# KiCad board Turbo_XT_Mainboard R3.kicad_pcb (continued)
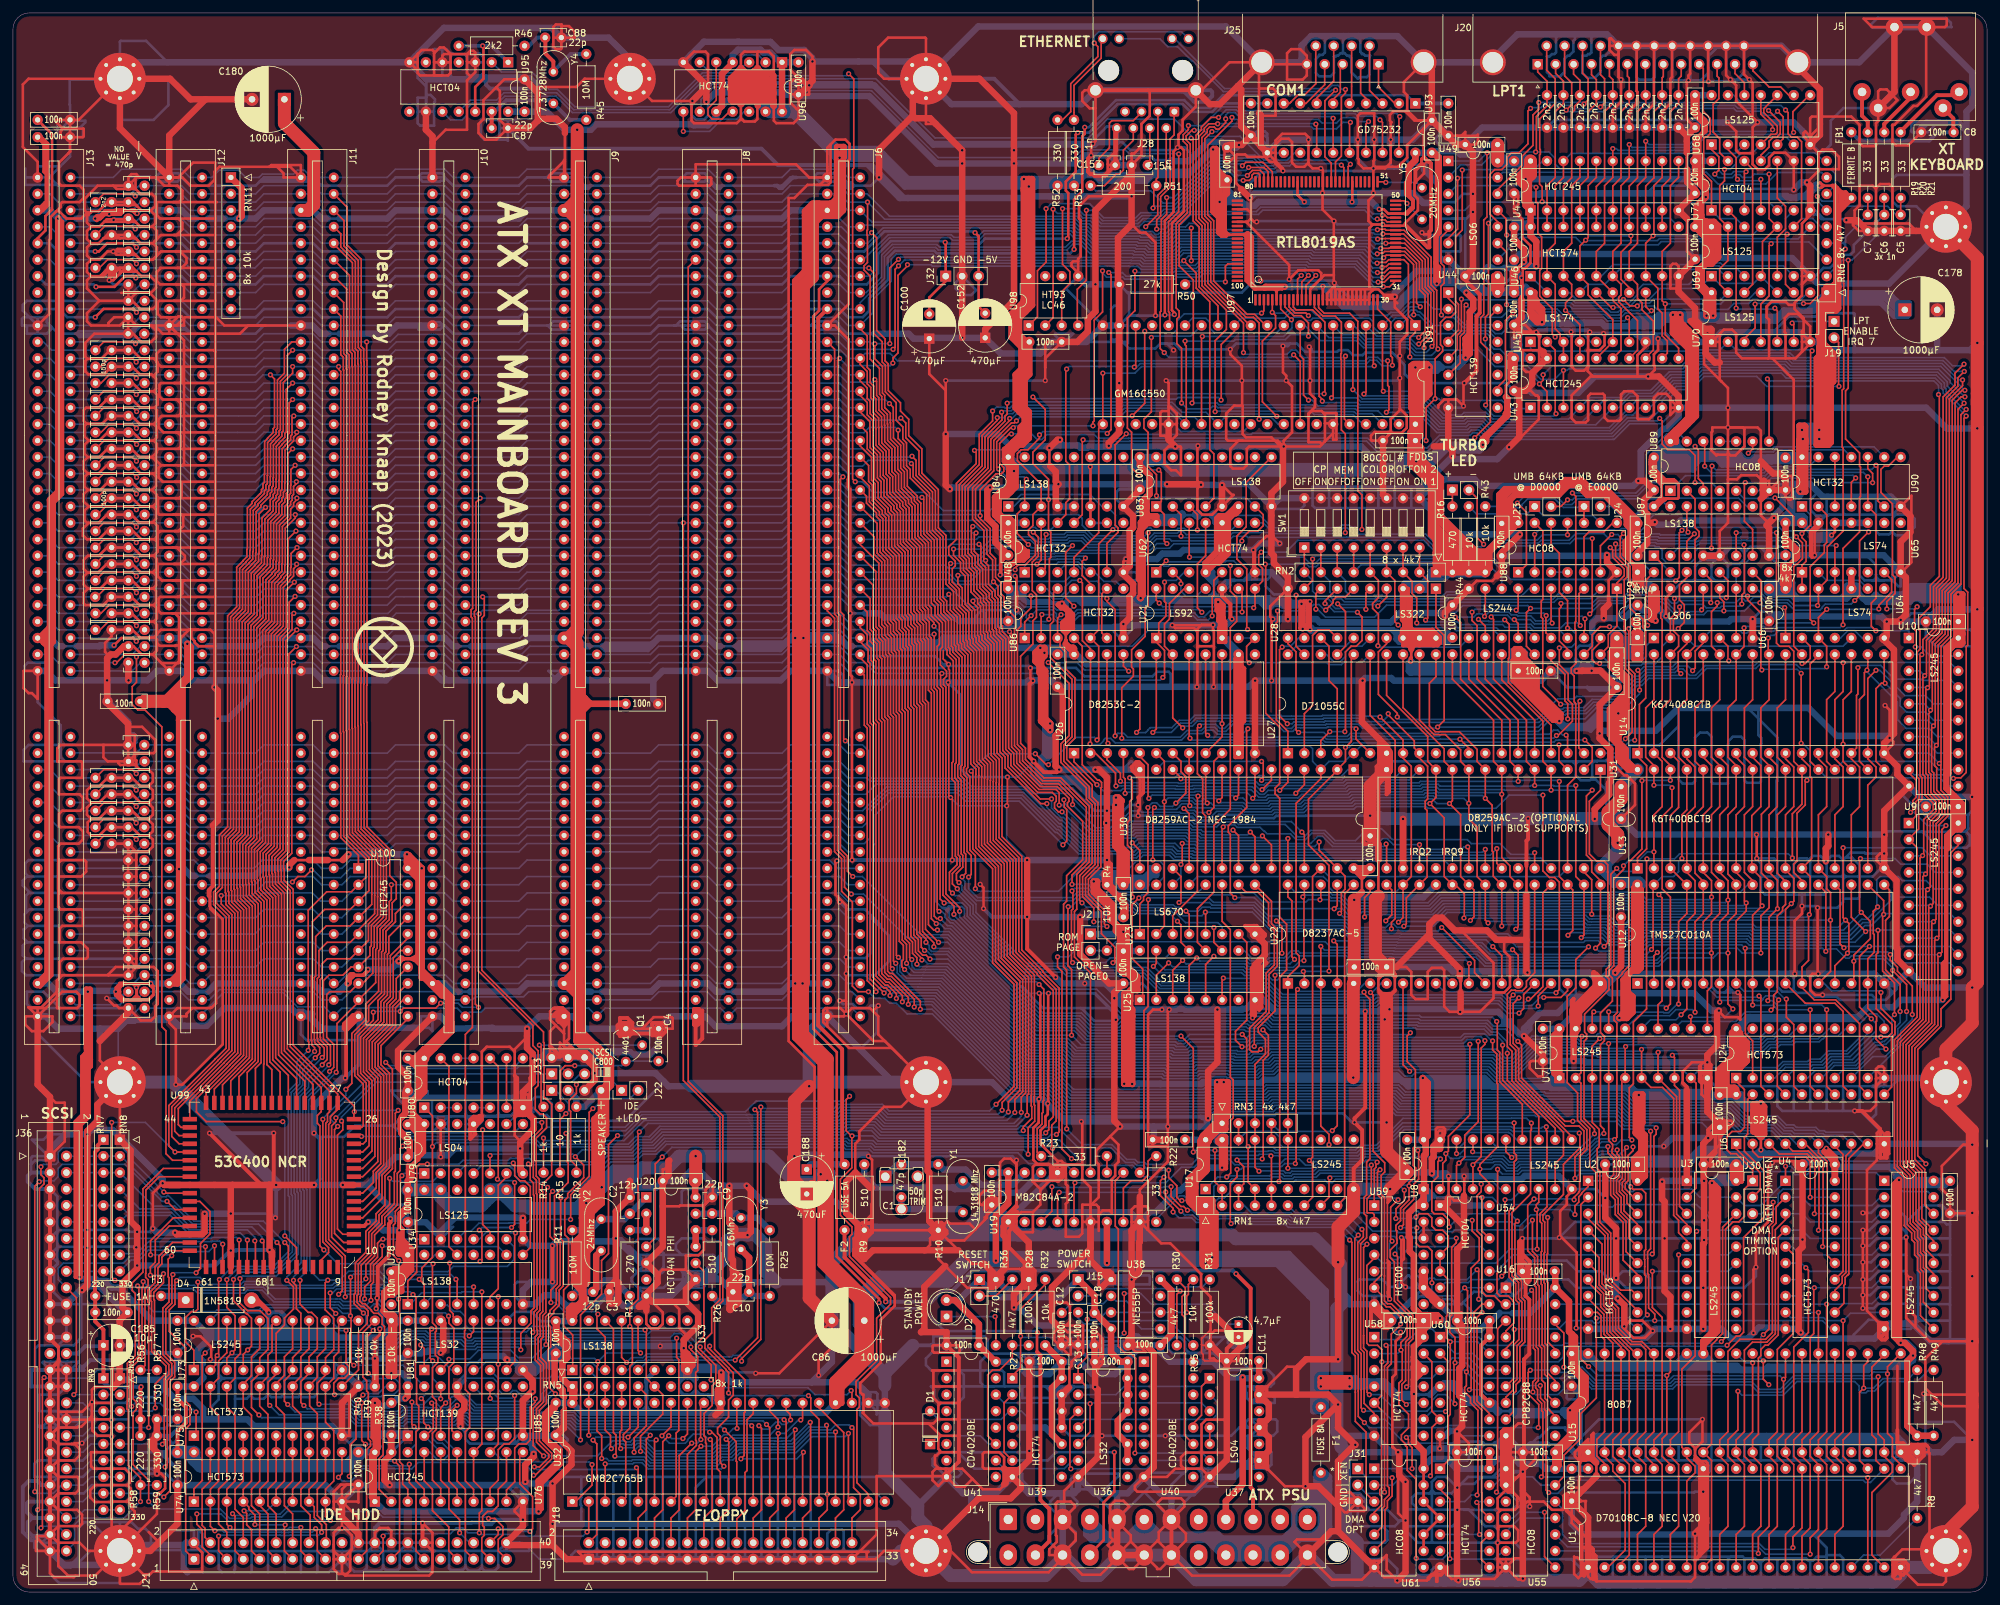
[diagram p0: board, top side]
## Routing (per net, layer and track width the routed paths; a pad name or vN(x,y) marks a point on that pad's centre or on a via; arc(x,y) is an arc through that point) (continued)
  Bottom w0.6: 107.91,233.03 107.68,233.03 v1(104.9,230.25) 107.31,232.66 107.31,233.05 108.55,233.05 108.57,233.03 ; 107.91,233.03 108.57,233.03 ; 107.91,233.03 107.47,232.58 107.19,232.58 ; 183.39,73.4 183.64,73.15 185.17,73.15 ; 183.39,73.4 185.39,73.4 ; 183.39,73.4 161.79,73.4 161.75,73.36 ; v1(247.4,95.63) 247.4,94.74 244.98,92.33 244.54,92.77 244.54,94.55 ; v1(247.4,95.63) 246,95.63 245.3,94.93 244.16,94.93 ; v1(247.4,95.63) 247.4,95.5 245.87,93.98 U22.20 ; 185.17,73.15 185.29,73.28 ; 185.17,73.15 v1(184.53,73.15) ; 185.29,73.28 185.29,71.75 ; 185.29,73.28 185.23,73.34 ; C42.2 20.75,36.91 19.56,38.1 C185.2 16.47,36.03 16.26,35.81 11.94,35.81 10.92,34.8 10.41,34.8 10.92,34.29 J36.27 2.79,34.29 2.79,31.75 J36.29 8.25,31.75 ; 185.39,71.19 185.39,71.66 185.29,71.75 ; 185.39,71.19 185.71,70.87 186.18,70.87 ; 185.39,71.19 185.59,70.99 186.69,70.99 187.45,70.23 187.45,69.47 ; R59.1 24.38,24.13 25.48,25.23 25.48,26.67 ; 109.47,217.17 109.09,216.79 108.58,216.79 107.31,218.06 107.06,218.06 ; 245.07,142.28 246,141.35 248.92,141.35 247.65,140.08 C50.2 247.14,139.19 247.01,139.32 243.46,139.32 243.08,139.7 ; 78.23,234.06 78.69,233.6 C37.2 ; 78.23,234.06 78.87,234.06 78.99,233.93 C37.2 ; 78.23,234.06 73.02,234.06 73.02,232.79 73.66,232.16 81.53,232.16 81.53,232.28 79.88,233.93 ; v1(39.62,52.83) 34.54,52.83 34.44,52.73 v1(33.63,52.73) 33.56,52.73 31.24,50.42 v1(19.18,50.42) ; 121.94,233.03 132.61,233.03 132.97,232.66 ; 121.94,233.03 122.03,233.03 122.39,232.66 v1(122.94,232.66) 122.57,233.03 121.94,233.03 ; 121.94,233.03 108.57,233.03 ; 79.88,233.93 79.33,233.93 C37.2 ; 79.88,233.93 79.55,233.6 C37.2 ; C78.2 138.94,38.1 ; U62.7 191.34,157.48 190.1,156.23 ; 86.99,218.06 88.26,216.79 88.77,216.79 89.15,217.17 ; 3.56,11.43 2.92,11.43 2.29,10.8 2.29,9.4 3.05,8.64 5.46,8.64 J36.47 ; 3.56,11.43 3.05,11.43 2.16,12.32 2.16,13.72 2.41,13.97 J36.43 ; 3.56,11.43 J36.45 ; v1(46.48,70.87) 47.37,69.98 47.37,63.75 v1(46.48,62.87) ; 241.3,143.13 242.89,143.13 ; 241.3,143.13 241.3,144.02 241.84,143.48 243.62,143.48 243.84,143.26 243.02,143.26 242.89,143.13 ; 241.3,143.13 241.3,142.37 v1(241.43,142.24) ; 242.89,143.13 v1(243.75,142.28) ; v1(30.35,70.87) v1(40.26,70.87) ; U100.10 53.34,81.41 v1(51.31,79.38) ; 188.55,156.23 187.98,156.23 U21.10 ; 185.7,70.52 185.7,69.63 185.67,69.6 186.18,69.09 187.2,69.09 187.45,69.34 187.45,69.47 ; 187.45,69.47 187.32,69.47 ; v1(156.59,113.03) v1(145.03,113.03) v1(129.57,113.03) ; v1(243.75,142.28) 241.46,142.28 v1(241.43,142.24) ; v1(243.75,142.28) 243.84,142.37 243.84,143.89 ; 126.62,220.34 132.71,220.34 137.79,215.26 138.18,215.26 ; 126.62,220.34 118.11,220.34 115.57,222.88 79.59,222.88 C87.1 ; 126.62,220.34 131.83,220.34 v1(133.73,218.44) ; J36.33 8.25,26.67 ; 62.99,36.83 63.25,37.08 65.91,37.08 v1(66.04,36.96) ; 278.76,66.55 279.26,66.55 280.51,67.79 282.39,67.79 282.46,67.71 ; 185.29,71.75 185.29,71.29 185.49,71.09 185.96,71.09 186.18,70.87 ; U17.19 186.69,70.36 186.18,70.87 ; v1(154.94,151.64) 154.94,151.21 C36.2 ; 287.15,78.1 287.65,78.1 U24.10 ; C46.2 121.2,231.22 120.65,231.78 108.71,231.78 108.5,231.57 ; 180.59,231.9 182.37,230.12 184.28,230.12 185.17,231.01 185.17,231.65 184.9,231.91 182.63,231.91 ; v1(80.24,82.4) 81.38,82.4 82.3,83.31 90.04,83.31 90.55,83.82 90.93,83.82 ; 117.6,217.17 117.98,217.17 118.36,216.79 118.75,216.79 120.4,218.44 120.9,218.44 ; 85.25,44.42 85.22,44.45 ; J36.3 2.79,64.77 2.29,64.26 2.29,63.37 3.43,62.23 J36.5 ; v1(241.43,142.24) 242.03,142.84 243.75,142.84 ; v1(40.51,57.79) 40.64,57.91 v1(40.64,62.87) ; v1(156.59,104.27) 151.13,104.27 v1(149.86,105.54) ; 234.25,87.95 234.31,87.88 234.31,86.87 v1(233.3,85.85) ; J36.21 8.25,41.91 ; 163.78,31.72 163.16,31.72 U39.13 ; U55.1 230.89,19.05 231.35,18.59 v1(233.12,18.59) ; v1(232.91,202.95) 232.66,203.2 ; 126.75,219.07 127.25,219.07 128.78,217.55 129.41,217.55 129.79,217.17 ; v1(167.08,31.67) 167,31.75 165.7,31.75 165.67,31.72 165.32,31.72 ; 127.89,217.81 128.02,217.81 129.03,216.79 129.41,216.79 129.41,216.92 129.67,217.17 ; 23.37,20.95 25.78,18.54 ; 23.37,20.95 22.73,21.59 22.22,21.59 23.37,21.59 23.37,20.95 ; v1(233.93,119.44) 233.93,119.44 233.67,119.44 ; J36.19 8.25,44.45 ; 69.85,24.64 69.85,24.82 v1(69.09,25.57) ; J21.24 55.88,9.91 56.64,10.67 v1(63.25,10.67) 70.74,10.67 70.82,10.74 72.72,10.74 72.99,10.47 73.86,10.47 74.56,11.18 v1(78.74,11.18) ; J36.23 8.25,39.37 ; 228.16,204.6 228.6,204.6 ; v1(83.3,47.89) 83.3,45.86 83.31,45.85 ; 230.24,88.51 230.24,87.64 ; v1(235.19,194.54) 235.56,194.91 240.26,194.91 v1(240.57,194.6) 240.81,194.84 243.19,194.84 v1(243.46,194.56) 243.68,194.34 v1(245.59,194.34) 250.79,194.34 250.95,194.18 ; v1(129.54,140.46) 129.52,140.49 129.37,140.49 ; 170.44,223.9 J28.8 ; 155.44,229.75 151.51,233.68 H5.1 135.25,233.68 132.59,236.35 130.56,236.35 ; J36.41 4.44,16.51 3.81,17.14 2.41,17.14 1.52,16.26 1.52,9.27 2.79,8 4.06,8 J36.49 ; 87.63,44.45 87.6,44.42 ; 229.87,204.47 230.25,204.47 ; 251.59,39.24 249.68,39.24 ; 231.32,87.43 231.32,88.34 230.61,87.63 231.12,87.63 231.32,87.43
  Bottom w1: C37.2 63.83,233.6 U95.7 ; U22.20 243.43,95.66 v1(233.84,95.66) 233.66,95.84 223.31,95.84 v1(223.39,95.88) 222.34,95.84 221.66,96.52 C53.2 ; U22.20 246.61,92.48 259.56,92.48 262.25,89.79 v1(263.4,89.79) ; U22.20 242.7,91.57 240.66,91.57 238.51,89.41 235.71,89.41 233.3,87 v1(233.3,85.85) 233.02,86.13 232.61,86.13 230.24,88.51 230.24,88.66 229.3,89.6 223.46,89.6 v1(223.45,89.59) 223,90.04 212.6,90.04 v1(212.53,89.98) 212.44,90.07 211.25,90.07 210.84,89.66 v1(208.79,89.66) 194.94,89.66 193.17,91.44 U25.8 190.39,90.06 189.85,90.06 189.73,89.94 188.51,89.94 188.47,89.98 187.79,89.98 187.75,89.94 v1(185.97,89.94) 180.98,89.94 180.87,90.05 179.68,90.05 179.58,89.94 v1(178.54,89.94) v1(177.4,89.94) 171.81,89.94 v1(170.05,91.69) 170.18,91.57 170.94,91.57 ; U22.20 246.76,95.63 v1(247.4,95.63) 247.55,95.48 v1(275.11,95.48) v1(278.74,95.48) 287.42,95.48 U12.16 289.05,93.85 290.7,93.85 U9.10 295.27,93.34 v1(302.51,93.34) ; C75.2 235.85,215.98 235.68,215.81 231.94,215.81 C57.2 ; 147.95,15.24 146.69,15.24 U41.8 139.7,13.33 ; 147.95,15.24 151.76,15.24 U39.7 156.84,15.24 161.93,15.24 ; 147.95,15.24 147.95,13.33 H8.1 136.78,10.54 v1(83.31,10.54) ; C186.2 17.38,43.18 13.34,47.22 11.03,47.22 8.25,44.45 10.41,46.61 v1(10.67,46.61) ; 216.72,45.65 216.66,45.59 216.49,45.59 C68.2 212.72,41.91 U59.7 206.38,44.45 205.74,45.08 ; 13.46,87 13.46,85.14 13.41,85.09 ; 13.46,87 16.26,87 17.48,88.22 18.7,88.22 18.83,88.35 23.58,88.35 J12.80 25.59,87.44 29.88,87.44 32.62,90.17 42.94,90.17 43.59,89.53 ; 13.46,87 6.98,87 5.08,88.9 J13.80 ; v1(289.75,131.89) 289.43,132.21 281.56,132.21 277.24,136.53 257.18,136.53 253.64,132.99 245.38,132.99 v1(244.98,132.59) ; 161.93,15.24 163.83,15.24 164.46,15.88 U36.7 167,15.24 170.18,15.24 ; 161.93,15.24 162.07,15.1 J14.3 J14.15 ; v1(156.59,104.27) 156.64,104.22 v1(164.77,104.22) ; 31.18,140.78 36.76,140.78 ; 31.18,140.78 31.18,139.76 v1(31.11,139.7) ; 31.18,140.78 27.5,140.78 26.03,142.24 J12.31 22.22,142.24 20.76,140.78 v1(17.85,140.78) v1(14.54,140.78) ; 36.76,140.78 36.83,140.71 36.83,138.43 33.27,134.87 v1(31.62,134.87) 31.75,134.87 ; 36.76,140.78 37.27,140.78 38.73,142.24 J11.31 46.35,142.24 47.82,140.78 57.59,140.78 59.05,142.24 J10.31 66.23,140.78 83.63,140.78 J9.31 86.99,142.24 88.46,140.78 98.87,140.78 ; 170.18,15.24 172.08,15.24 U40.8 177.16,15.24 178.44,15.24 ; 170.18,15.24 170.47,14.95 J14.5 ; C16.2 171.37,37.3 167.8,37.3 C18.2 C12.2 159.38,35.56 C14.2 156.67,35.81 ; 81.53,34.54 C91.2 84.95,36.83 85.53,37.41 ; 81.53,34.54 78.99,34.54 U81.7 ; 81.53,34.54 81.28,34.54 80.64,33.91 ; v1(303.3,151.75) 297.24,151.75 C56.2 291.72,149.86 v1(291.47,150.11) 291.21,149.86 v1(289.31,149.86) 288.51,150.65 279.52,150.65 279.42,150.75 275.01,150.75 274.9,150.64 271.85,150.64 C47.2 268.91,149.94 v1(268.6,150.24) 265.3,150.24 264.94,149.88 256.03,149.88 v1(255.21,150.69) 254.31,151.6 251.62,151.6 C61.2 248.79,150.37 v1(245.62,150.37) 244.47,150.37 243.84,149.73 243.84,148.21 ; v1(113.41,55.12) 113.28,55.25 113.16,55.25 ; 29.21,26.67 36.19,26.67 37.23,25.63 49.3,25.63 U75.10 51.01,24.34 58.29,24.34 C89.2 58.5,24.13 U85.1 ; 29.21,26.67 29.37,26.83 29.37,28.32 27.84,29.85 25.02,29.85 23.26,31.6 23.26,32.79 ; 29.21,26.67 25.48,26.67 C177.2 22.3,26.75 R57.1 R59.1 ; 23.26,32.79 16.74,32.79 RN10.1 ; 23.26,32.79 25.4,34.93 C42.2 ; v1(231.01,176.78) 229.18,174.95 222.69,174.95 v1(222.25,175.39) 217.17,170.31 SW1.9 ; 85.53,37.41 85.53,37.4 82.93,34.8 82.68,35.05 77.98,35.05 ; 85.53,37.41 86.14,38.02 ; C48.2 271.27,170.18 U89.7 ; C48.2 274.63,171.13 277.44,171.13 279.42,169.14 289.96,169.14 U90.7 ; C48.2 273.25,169.74 273.25,167.52 271.91,166.18 v1(271.91,165.86) 271.51,165.46 257.5,165.46 256.87,164.83 253.89,164.83 v1(253.49,165.23) ; J11.80 45.72,88.9 47.62,87 51.43,87 U100.10 55.12,87.12 62.99,87.12 J10.80 66.04,88.9 67.94,87 74.04,87.12 73.91,87 v1(79.38,87) 81.28,88.9 J9.80 86.36,88.9 88.26,87 C4.2 ; J11.80 44.96,89.41 45.08,89.28 ; J11.80 43.82,89.53 43.59,89.53 ; 104.77,78.1 101.22,78.1 99.21,80.11 v1(89.82,80.11) ; 218.88,45.59 218.88,45.51 219.94,44.45 U54.7 222.88,41.91 C76.2 ; 132.97,194.31 138.3,194.31 139.06,193.55 C100.1 141.6,193.68 v1(146.56,193.68) C152.1 152.53,191.26 158.62,191.26 160.4,193.04 C97.2 165.74,193.04 U91.20 170.81,195.58 ; 301.62,225.66 301.62,214 H7.1 289.69,202.06 281.57,202.06 ; 301.62,225.66 301.62,228.6 302.54,229.51 302.54,234.6 J5.SH J5.SH ; 301.62,225.66 300.36,226.93 295.51,226.93 294.64,226.06 C8.2 ; v1(191.01,215.26) 191.77,216.03 216.22,216.03 217.74,214.5 219.96,214.5 220.11,214.65 ; v1(164.77,104.22) 164.72,104.27 ; v1(164.77,104.22) 165.96,104.22 166.35,104.61 169.47,104.61 169.86,104.22 C54.2 ; 205.74,14.22 207.39,14.22 J31.3 ; J5.SH 290.5,231.67 J5.4 ; J5.SH 285.07,236.22 J20.0 273.05,238.76 J20.25 J20.24 J20.22 J20.20 J20.19 J20.18 ; v1(178.18,171.07) 174.86,171.13 C39.2 173.19,171.06 161.28,171.06 v1(161.42,171.07) 160.91,170.56 v1(150.88,170.56) 144.91,170.56 v1(144.65,170.31) ; v1(178.18,171.07) 178.17,171.08 177.94,171.08 ; v1(178.18,171.07) 177.94,171.08 ; U56.7 220.34,2.54 221.08,1.81 ; 168.78,93.98 C49.2 170.94,93.47 170.94,91.57 ; 168.78,93.98 168.78,93.85 170.94,91.69 170.94,91.57 ; 168.78,93.98 v1(165.48,93.98) 161.92,93.98 v1(160.99,94.91) ; 232.81,203.05 232.66,203.2 232.66,203.33 231.77,204.22 ; U68.7 277.5,224.39 274.93,226.95 v1(269.37,226.95) 269.34,226.92 v1(264.7,226.92) 260.5,226.92 C51.2 C28.2 C27.2 C26.2 C25.2 C24.2 C23.2 C22.2 C21.2 C29.2 226.85,226.14 C62.2 223.63,223.52 223,224.16 222.33,224.16 219.24,227.25 C79.2 216.11,224.28 v1(210.19,224.28) v1(207.64,224.28) 195.71,224.28 193.68,222.25 191.13,224.79 ; 45.08,89.28 44.84,89.53 43.59,89.53 ; 45.08,89.28 46.23,89.28 ; SW1.9 222.76,163.32 v1(232.66,163.32) ; SW1.9 219.37,171.11 220.22,171.11 220.94,171.83 225.68,171.83 226.69,170.81 250.19,170.81 v1(250.95,171.58) 251.33,171.96 251.33,176.15 254.81,179.62 255.32,179.62 257.18,181.48 U43.10 295.4,182.88 298.6,179.69 v1(303.3,179.69) ; C50.2 245.07,142.28 v1(243.75,142.28) 243.71,142.24 v1(241.43,142.24) C65.2 235.91,140.74 213.21,140.74 212.81,141.14 208.78,141.14 v1(208.38,140.74) v1(194.33,140.74) v1(191.79,140.74) 190.83,139.78 v1(185.37,139.78) v1(182.8,139.78) C52.2 160.29,140.78 156.78,140.78 ; v1(248.79,41.02) 248.79,40.13 ; 248.79,40.13 248.28,40.64 U2.10 ; 248.79,40.13 249.68,39.24 ; v1(46.48,70.87) 46.48,75.06 50.8,79.38 v1(51.31,79.38) ; R36.2 153.29,46.74 155.32,46.74 R28.1 ; v1(302.51,69.09) 302.39,69.22 U6.10 287.42,67.71 282.46,67.71 ; 80.64,33.91 80.26,34.29 U81.7 ; 80.64,33.91 78.23,33.91 77.98,34.16 77.98,35.05 ; v1(83.29,53.47) 83.98,54.16 92.64,54.16 v1(93.09,54.61) 96.9,50.8 U20.5 ; v1(83.29,53.47) 79.88,53.47 78.74,54.61 ; v1(83.29,53.47) 83.29,47.9 v1(83.3,47.89) 80.02,47.89 78.74,46.61 U78.8 80.64,44.45 82.04,45.85 83.82,45.85 85.45,44.22 87.4,44.22 87.63,44.45 90.17,44.45 C3.2 94.23,44.2 96.27,44.2 U20.7 101.6,45.72 104.14,48.26 U20.9 109.26,48.26 C10.2 112.67,47.86 126.04,47.86 126.44,47.45 ; 250.63,194.18 253.11,194.18 253.75,193.55 v1(254,193.55) ; U84.4 U84.5 ; 230.41,1.81 230.5,1.91 U55.7 ; 166.22,58.65 172.49,58.65 U19.9 175.49,58.65 176.43,58.65 179.78,62 180.24,62 183.77,65.53 v1(186.69,65.53) ; 166.22,58.65 166.22,57.3 U19.6 166.37,55.25 166.47,55.15 ; 166.22,58.65 155.17,58.65 U19.1 ; 131.57,151.13 133.86,151.13 134.49,150.5 145.54,150.5 146.1,149.94 C36.2 154.8,149.94 155.71,149.03 159.07,149.03 159.18,148.92 169.88,148.92 169.99,149.03 171,149.03 v1(171.45,149.48) 172.02,149.48 172.2,149.29 v1(179,149.29) 185.48,149.29 v1(185.29,149.35) 187.32,149.35 v1(188.21,150.24) v1(194.52,150.24) 201.27,150.24 201.78,149.73 212.72,149.73 214.17,151.18 220.67,151.18 v1(221.11,150.75) ; J20.18 247.88,239.03 ; J20.18 246.11,240.54 232.28,240.54 228.49,236.75 J20.0 J25.SH 213.76,240.26 200.43,240.26 198.97,238.8 198.97,236.72 J25.5 199.46,236.22 J25.SH 187.26,241.76 149.05,241.76 H5.1 ; U19.1 153.67,57.4 161.04,64.77 U19.15 ; U19.1 155.67,55.15 156.31,55.15 ; SW1.16 195.58,168.91 U83.8 190.84,171.11 186.77,171.11 186.76,171.13 ; v1(144.02,178.82) 152.08,178.82 153.69,177.21 156.16,177.21 156.43,176.94 159.74,176.94 v1(160.02,176.66) 160.42,177.06 164.47,177.06 164.83,176.7 165.88,176.7 166.04,176.86 172.77,176.86 172.8,176.89 v1(179.47,176.89) v1(196.2,176.89) 208.17,176.89 210.01,175.05 v1(211.53,175.05) ; 26.92,3.05 26.39,3.58 26.39,7.27 ; 123.32,32.38 130.18,32.38 132.08,30.48 U32.22 U32.21 ; 123.32,32.38 110.87,32.38 v1(109.35,33.91) ; 123.32,32.38 v1(124.4,33.46) 126.44,35.51 C86.2 ; 86.14,38.02 99.91,38.02 v1(99.95,37.97) 103.21,38.02 v1(103.57,37.66) ; 86.14,38.02 86.09,37.97 83.69,37.97 81.15,35.43 ; U95.7 19.05,236.22 H1.1 ; U95.7 66.52,241.53 83.17,241.53 C88.2 91.95,240.03 95.25,236.73 H3.1 97.79,236.22 U96.7 106.68,239.39 112.02,239.39 112.05,239.37 116.97,239.37 118.22,238.12 122.17,238.12 123.38,236.92 123.38,236.41 v1(123.44,236.35) 138.3,236.35 H5.1 ; v1(21.59,56.13) 22.22,55.5 v1(25.02,55.5) ; 170.44,223.9 167,223.9 v1(166.75,223.65) 166.88,223.52 167.01,223.52 142.11,223.52 132.97,232.66 v1(122.94,232.66) ; v1(247.78,45.34) 247.52,45.59 v1(247.52,48.51) ; v1(186.69,170.94) 186.76,171.01 186.76,171.13 ; v1(186.69,170.94) 186.76,171.13 ; v1(186.69,170.94) v1(183.44,170.99) 177.94,171.08 ; v1(303.3,192.89) 302.17,191.77 297.05,191.77 ; C96.2 83.74,24.13 U85.8 80.19,22.68 80.19,22.1 80.39,21.9 v1(80.39,21.34) ; 220.11,214.65 220.11,206.22 220.6,205.74 U49.7 221.69,205.74 C85.2 ; 220.11,214.65 220.11,217.4 217.87,219.64 v1(217.87,220.92) ; 213.11,21.59 212.72,21.59 U58.7 205.1,24.13 205.06,24.08 ; 213.11,21.59 218.33,21.59 218.9,22.16 v1(220.28,22.16) 222.39,22.16 C82.2 225.55,21.59 226.82,22.86 ; 213.11,21.59 205.87,21.59 ; J10.10 59.31,195.58 58.04,194.31 50.42,194.31 ; H6.1 14.35,4.19 7.87,4.19 J36.49 ; H6.1 17.43,7.27 26.39,7.27 ; H6.1 17.78,7.62 ; 98.87,140.78 100.33,142.24 J8.31 107.31,142.24 108.78,140.78 118.55,140.78 120.01,142.24 J6.31 127.48,140.49 129.37,140.49 v1(129.54,140.46) 157.23,140.46 v1(157.48,140.72) ; 98.87,140.78 98.87,137.91 C179.2 ; 242.11,82 242.62,82 242.82,81.79 256.41,81.79 256.42,81.79 v1(261.61,81.79) ; 242.11,82 C84.2 ; 242.11,82 242.13,82 ; C30.2 62.08,76.3 77.24,76.3 U80.7 ; C40.2 240.66,10.54 242.32,8.89 259.59,8.89 v1(259.71,9.02) 289.56,9.02 291.97,11.43 291.97,11.94 294,13.97 R8.1 ; v1(14.54,140.78) 6.54,140.78 5.08,142.24 J13.31 ; v1(14.54,140.78) 14.6,140.71 C183.2 17.78,134.37 C161.1 ; v1(274.95,216.53) 276.1,217.68 v1(276.99,217.68) ; U17.19 186.37,69.85 184.34,71.88 ; U28.10 194.31,157.48 U62.7 ; v1(219.07,64.64) 221.23,64.64 v1(221.66,64.22) ; C69.2 250.7,116.97 v1(269.2,116.97) v1(280.29,116.97) v1(288.93,116.97) ; R9.1 127.05,60.28 115.75,60.28 v1(113.28,62.74) v1(110.62,62.74) 109.73,62.74 C9.1 107.95,63.1 106.05,65 104.61,65 103.11,63.5 C95.2 99.29,62.46 96.43,62.46 95.25,61.28 C2.1 ; 77.98,35.05 U81.7 ; 77.98,35.05 77.22,35.81 v1(76.33,35.81) 75.69,36.45 72.77,36.45 ; U16.1 C83.2 ; v1(252.48,187.71) 244.22,187.71 241.68,185.17 234.57,185.17 234.24,185.5 C70.2 ; C72.2 276.63,66.36 278.58,66.36 278.76,66.55 ; v1(109.35,33.91) 108.97,34.29 U33.8 ; v1(109.35,33.91) 108.84,34.42 108.84,34.54 108.58,34.8 104.65,34.8 U33.8 ; 210.72,1.81 210.19,2.35 U61.7 ; U24.10 297.81,79.38 H9.1 ; 107.19,232.58 105.41,230.81 105.41,230.76 v1(104.9,230.25) ; U33.8 105.41,33.02 ; v1(221.66,64.22) 219.63,64.22 219.07,64.77 C60.2 ; v1(221.66,64.22) v1(224.07,64.22) 228.81,64.22 229.3,63.73 232.89,63.73 233.43,64.26 238.63,64.26 240.66,62.23 ; C80.2 48.26,16.51 U74.10 53.34,16.51 C45.2 53.42,16.51 v1(58.17,16.51) 78.74,16.51 U76.10 79.12,14.35 v1(79.12,17.02) 79.38,16.76 v1(83.31,16.76) ; 213.96,1.81 213.77,1.81 v1(213.74,1.78) ; 184.34,71.88 v1(178.31,71.88) 176.15,71.88 ; 184.34,71.88 184.34,72.96 v1(184.53,73.15) ; C85.2 226.31,203.2 227.71,204.6 228.16,204.6 ; C85.2 223.44,204 216.77,204 213.36,200.59 v1(213.36,200.03) ; U65.7 288.84,160.1 v1(278.18,160.1) C55.2 273.6,160.02 U87.8 ; v1(33.63,58.45) 33.6,58.42 v1(29.59,58.42) ; v1(154.56,43.94) 155.45,43.94 158.24,41.15 v1(161.8,41.15) ; 26.39,7.27 26.74,7.62 J21.2 ; 134.62,31.88 U32.21 ; U32.21 134.62,27.43 ; 182.63,231.91 182.08,231.91 182.07,231.9 175.4,231.9 175.39,231.91 J28.SH 164.98,229.75 144.9,229.75 H5.1 ; v1(107.06,230.12) 108.5,231.57 118.44,231.57 118.79,231.22 C46.2 121.49,231.01 132.21,231.01 142.62,220.6 v1(154.56,220.6) 164.13,220.6 165.38,221.85 v1(166.47,221.85) 169.44,221.85 170.18,221.11 C153.1 C154.1 173,220.34 ; 231.77,204.22 C63.2 232.65,206.62 258.92,206.62 C58.2 259.95,206.05 264.03,206.05 264.09,205.99 274.7,205.99 U69.7 278.53,202.16 ; 231.77,204.22 231.52,204.47 230.25,204.47 ; v1(302.51,23.5) 299.72,23.5 297.81,21.59 U15.20 ; J14.7 178.87,15.04 179.07,15.24 178.44,15.24 ; 62.99,36.83 61.04,36.83 C90.2 60.12,36.07 v1(55.88,36.07) ; v1(261.75,70.1) 256.16,70.1 v1(254.89,68.83) ; 63.25,37.08 63.9,37.08 64.08,37.26 65.74,37.26 v1(66.04,36.96) ; C4.2 101.6,88.9 J8.80 106.93,88.9 108.46,87.38 118.75,87.38 120.27,88.9 J6.80 135.89,78.74 H4.1 151.16,78.74 153.83,76.07 159.03,76.07 162.45,72.66 v1(164.96,72.66) 170.16,72.66 v1(170.94,71.88) 176.15,71.88 ; C4.2 99.69,84.33 98.37,83 95.67,83 95.31,83.37 92.89,83.37 92.07,82.55 J33.6 J33.4 J33.2 80.39,82.55 v1(80.24,82.4) ; v1(168.91,113.03) v1(156.59,113.03) ; U37.9 191.13,20.32 188.59,17.78 U37.7 182.25,15.24 178.44,15.24 ; 236.92,22.79 234.33,22.79 C64.2 233.04,21.59 U16.10 229.24,22.86 228.92,22.86 ; 297.05,191.77 297.1,191.82 C178.2 ; 297.05,191.77 279.9,191.77 278.63,193.04 U70.7 275.99,194.54 263.76,194.54 U70.1 U45.8 250.95,194.18 ; 178.82,221.11 178.97,220.96 181.59,220.96 184.59,223.96 186.55,223.96 C73.2 188.9,223.06 v1(189.29,223.46) ; v1(133.73,218.44) 136.91,215.26 157.1,215.26 157.35,215.52 v1(172.72,215.52) ; 251.59,39.24 252.09,39.24 v1(253.17,40.32) 253.49,40.64 v1(255.9,40.64) U3.10 263.76,40.64 265.28,39.12 267.84,39.12 v1(268.73,40) 269.58,40.85 273.47,40.85 U4.10 275.46,40.64 276.96,39.14 287.42,39.14 U5.10 289.72,41.44 293.33,41.44 296.04,38.74 v1(302.51,38.74) ; v1(254.63,63.37) 254.76,63.5 U3.1 v1(261.11,63.5) ; H2.1 16.13,78.74 ; v1(302.49,122.79) 296.86,122.79 C77.2 295.35,121.84 U10.10 ; 12.39,26.6 12.32,26.67 8.25,26.67 ; v1(78.74,57.79) 77.73,57.79 77.67,57.84 68.26,57.84 66.04,55.63 U34.2 66.04,54.8 63.74,57.1 C38.2 60.4,57.66 v1(58.29,57.66) 58.29,59.31 54.74,62.87 ; 239.14,22.73 239.9,22.73 241.05,21.59 U15.1 241.89,22.91 241.89,30.61 C31.2 ; R39.2 R40.2 U73.10 ; 176.15,71.88 176.15,70.02 C181.2 ; v1(78.32,68.49) 68.24,68.49 67.18,67.44 61.21,67.44 C33.2 59.05,67.18 54.74,62.87 ; v1(302.51,58.55) 302.47,58.5 C35.2 ; 135.89,5.08 J18.33 J18.31 J18.29 J18.27 J18.25 J18.23 J18.21 J18.19 J18.17 J18.15 J18.13 J18.11 J18.9 J18.7 J18.5 J18.3 J18.1 ; 42.93,195.58 J11.10 46.23,195.58 47.5,194.31 48.77,194.31 ; 131.85,67.54 120.88,67.54 v1(120.65,67.31) ; 108.46,30.48 109.09,30.48 109.47,30.1 109.47,29.46 U32.31 108.33,30.1 108.33,30.48 ; U98.5 165.74,201.93 v1(167.13,201.93) 170.81,201.93 ; C41.2 246.25,160.02 v1(246.13,160.15) 246,160.02 C67.2 ; v1(171.83,159.51) 176.64,159.51 177.47,160.35 180.16,160.35 180.72,160.91 v1(191.52,160.91) 192.53,161.93 v1(195.58,161.93) ; v1(222.96,24.81) 222.88,24.89 221.87,24.89 221.11,24.13 U60.7 ; 54.74,62.87 v1(50.92,62.87) v1(46.48,62.87) ; U30.14 v1(167.13,127) v1(161.54,127) ; J36.1 5.71,68.33 8.07,70.68 v1(11.49,70.68) 11.49,70.8 12.04,71.35 15.39,71.35 16.51,70.23 RN8.1 16.95,69.85 23.11,63.68 v1(23.11,63.12) ; U38.1 v1(172.72,48.26) ; 21.34,50.42 v1(19.18,50.42) ; 25.35,16.64 25.4,16.59
  Bottom w2: U19.1 153.67,56.73 155.25,55.15 155.67,55.15 ; U19.1 153.67,57.23 152.12,58.78 ; U19.1 152.4,57.15 151.13,55.88 ; v1(122.94,78.1) 123.57,78.74 H4.1 ; v1(122.94,78.1) 122.94,86.11 J6.80 ; v1(122.94,78.1) 104.77,78.1 ; 151.86,55.15 130.71,55.15 129.86,54.29 ; 151.86,55.15 151.13,55.88 ; 151.86,55.15 174.86,55.15 ; U19.9 173.99,56.02 174.86,55.15 ; 151.13,55.88 149.22,55.88 ; 207.55,1.81 207.55,7.72 205.74,9.52 205.74,14.22 205.59,14.37 205.59,20.86 205.83,21.1 205.87,21.1 205.87,21.59 205.06,22.4 205.06,24.08 204.42,24.72 204.42,43.77 205.74,45.08 204.98,45.85 204.98,50.55 v1(204.6,50.93) 200.97,54.55 188.81,54.55 188.21,55.15 174.86,55.15 ; 207.55,1.81 210.72,1.81 v1(213.74,1.78) 213.96,1.81 v1(223.17,1.81) 241.84,1.81 243.2,3.18 ; 207.55,1.81 203.78,1.81 J14.24 196.06,1.91 182.68,1.91 J14.19 J14.18 J14.17 170.47,5.37 167.64,2.54 165.25,2.54 J14.15 162.07,5.23 159.38,2.54 144.78,2.54 H8.1 ; 134.62,33.66 134.62,33.78 138.94,38.1 ; 134.62,33.66 134.62,31.88 ; 134.62,33.66 130.49,37.78 ; H8.1 137.16,6.35 135.89,5.08 ; H8.1 140.97,10.16 139.7,11.43 139.7,13.33 134.62,18.42 134.62,27.43 ; 212.23,119.44 211.05,119.44 210.83,119.66 209.78,119.66 v1(209.55,119.89) ; 212.23,119.44 212.17,119.38 ; 212.23,119.44 214.57,119.44 v1(214.63,119.38) 214.68,119.32 233.82,119.32 v1(233.93,119.44) 233.67,119.44 248.23,119.44 C69.2 ; 129.86,54.29 126.37,50.8 126.37,49.85 126.44,49.77 C86.2 126.44,41.83 130.49,37.78 ; 129.86,54.29 R9.1 ; 146.69,55.88 R10.2 R9.1 ; 146.69,55.88 147.24,55.88 C94.2 152.12,58.78 ; 146.69,55.88 149.22,55.88 ; 152.12,58.78 149.22,55.88 ; H10.1 295.91,3.81 U1.20 291.46,2.68 290.31,1.52 278.76,1.52 ; 131.44,38.74 130.49,37.78 ; U20.9 106.54,48.26 110.36,52.08 110.36,53.76 111.85,55.25 113.16,55.25 v1(113.41,55.12) 114.51,55.25 116.2,53.55 116.2,49.48 117.83,47.86 ; R9.1 133.35,55.88 ; 269.75,1.52 268.35,1.52 ; 269.75,1.52 244.86,1.52 243.2,3.18 ; 269.75,1.52 279.15,1.52 ; 243.2,3.39 U1.1 243.2,3.18 ; U17.10 v1(212.64,62.23) ; H2.1 24.76,78.74 v1(25.15,78.36) v1(40.64,62.87) ; U15.1 243.2,22.1 244.7,23.59 290.6,23.59 291.46,22.72 U15.20
